# KiCad board beaglebone-ai.kicad_pcb (continued)
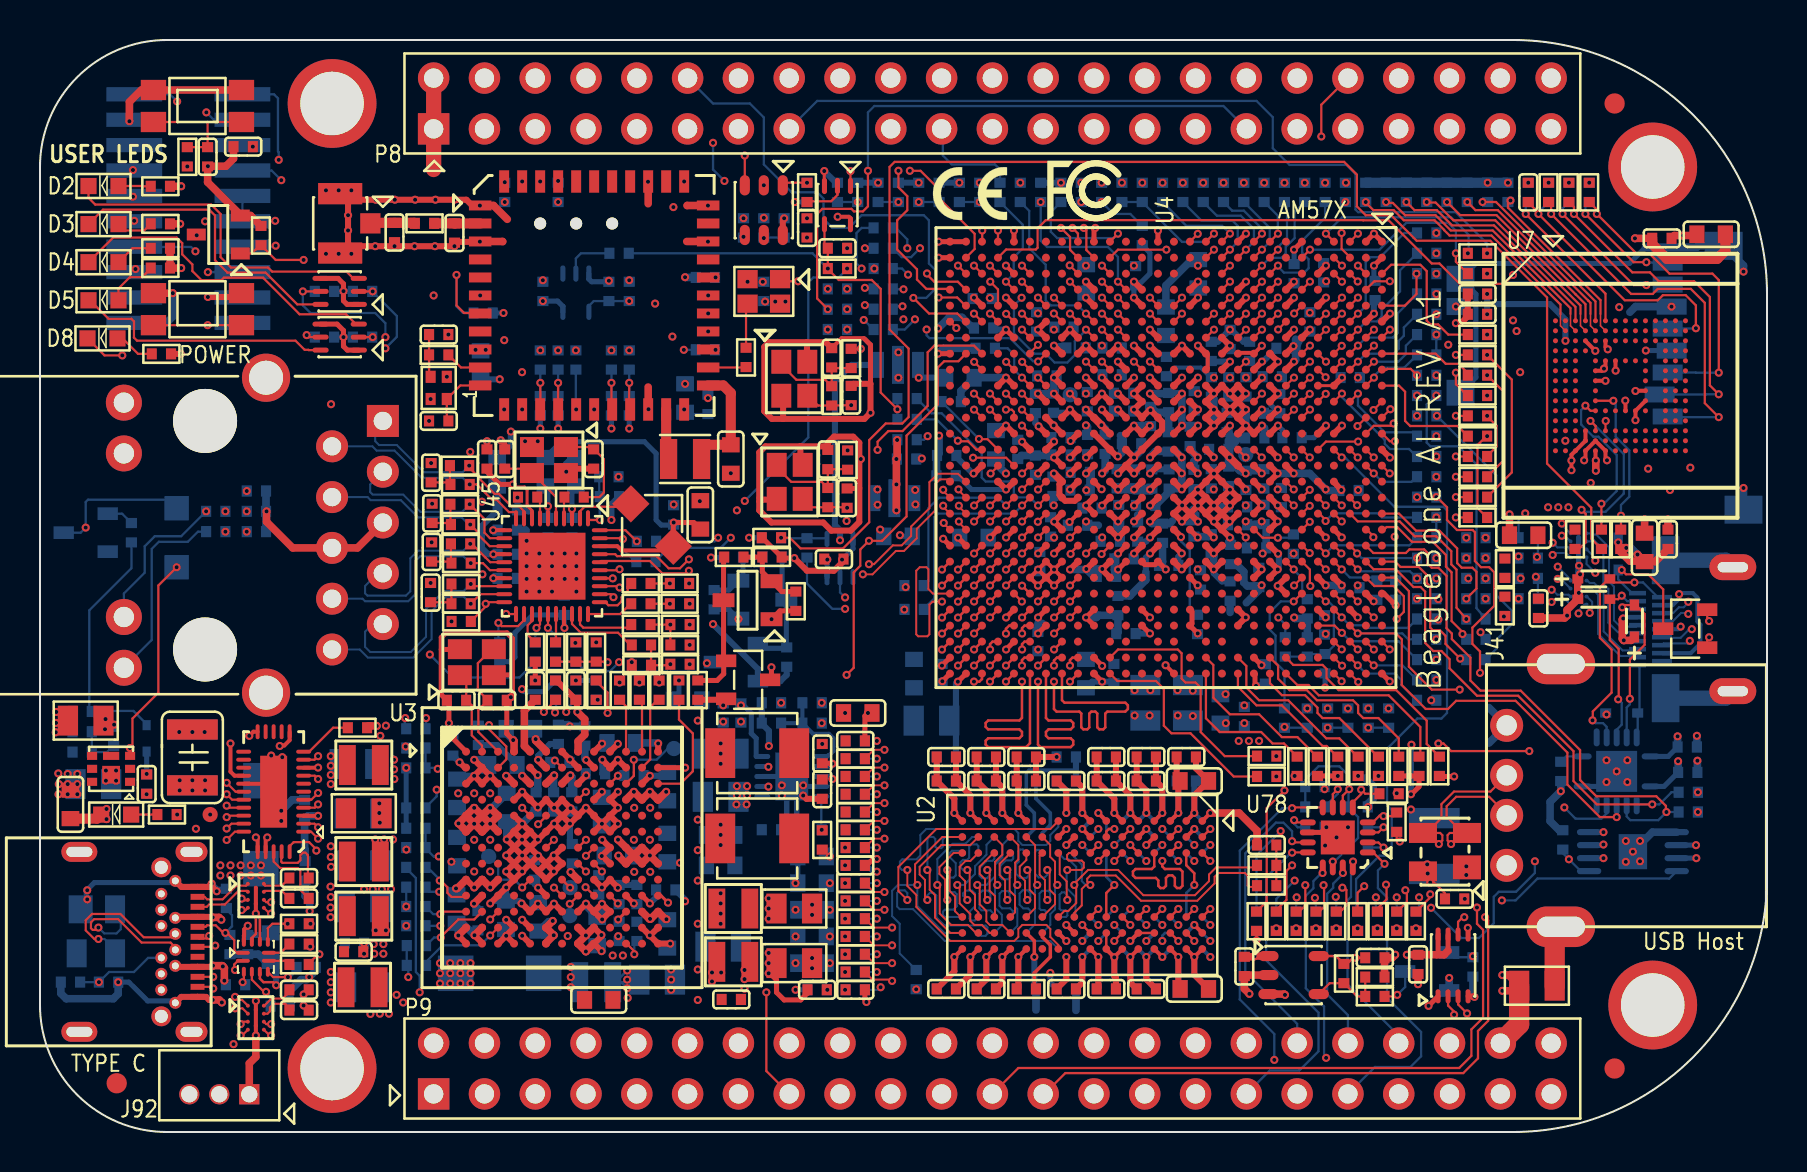
[diagram p0: board, top side]
## Copper pours and planes (outline as drawn; the poured copper is in the pictures) (continued)
Earth on TOP: 55.27,31.78 55.27,30.61 55.07,30.4 54.61,30.4 54.51,30.51 54.51,31.01 54.31,31.22 53.06,31.22 52.96,31.32 52.96,31.75 53.09,31.88 55.17,31.88
Earth on TOP: 24.13,46.58 32.36,46.58 32.49,46.46 32.49,37.39 32.26,37.16 23.22,37.16 22.94,37.44 22.94,45.39
Earth on TOP: 78.31,33.73 82.68,33.73 82.96,33.45 82.96,32.59 82.22,31.85 77.32,31.85 77.04,32.13 77.04,32.51 77.27,32.74 78.13,32.74 78.23,32.84 78.23,33.66
Earth on TOP: 70.59,13.84 72.03,13.84 72.11,13.77 72.11,12.45 71.6,11.94 71.6,11.46 71.5,11.35 70.94,11.35 70.82,11.48 70.82,12.45 70.51,12.75 70.51,13.77
Earth on TOP: 50.65,39.45 51.38,39.45 51.51,39.32 51.51,37.46 51.18,37.13 51.18,36.47 50.9,36.2 50.01,36.2 49.76,36.45 49.76,36.98 49.86,37.08 50.42,37.08 50.55,37.21 50.55,39.34
Earth on TOP: 58.88,29.87 58.88,29.69 58.78,29.59 57.58,29.59 57.35,29.82 57.35,30.18 57.51,30.33 58.42,30.33
Earth on TOP: 56.18,23.42 56.77,23.42 56.85,23.34 56.85,22.43 57.05,22.23 57.71,22.23 57.84,22.1 57.84,21.72 57.73,21.62 56.69,21.62 56.44,21.87 56.44,22.28 56.16,22.56 56.16,23.39
Earth on TOP: 83.08,20.02 83.08,17.88 82.4,17.2 82.4,13.44 82.14,13.18 79.02,13.18 78.79,13.41 78.79,14.94 79.22,15.37 81.23,15.37 81.66,15.8 81.66,16.46 80.92,17.2 77.95,17.2 77.52,17.63 77.52,19.74 77.95,20.17 77.95,20.93 78.11,21.08 82.02,21.08
Earth on TOP: 63.53,35.46 65.28,35.46 65.46,35.28 65.46,34.85 65.33,34.72 63.53,34.72 63.47,34.77 63.47,35.41
Earth on TOP: 62.59,40.28 63.53,40.28 63.68,40.13 63.68,39.95 62.84,39.12 62.84,38.25 62.64,38.05 62.23,38.05 62.13,38.15 62.13,39.83
Earth on TOP: 48.89,30.15 48.89,29.87 48.62,29.59 47.29,29.59 47.22,29.67 47.22,30.2 47.27,30.25 48.79,30.25
Earth on TOP: 67.74,44.93 67.74,43.87 67.08,43.21 66.6,43.21 66.5,43.31 66.5,43.43 66.62,43.56 66.62,43.92 66.5,44.04 66.19,44.04 66.12,44.12 66.12,44.98 66.4,45.26 67.41,45.26
Earth on TOP: 52.3,26.44 53.01,26.44 53.14,26.31 53.14,24.82 52.98,24.66 52.43,24.66 52.17,24.92 52.17,26.31
Earth on TOP: 17.72,20.54 17.72,19.7 17.58,19.56 16.84,19.56 16.64,19.76 16.64,20.47 16.88,20.71 17.54,20.71
Earth on TOP: 13,48.51 21.74,48.51 22.4,47.85 22.4,46.58 22.07,46.25 21.62,46.25 21.44,46.43 15.8,46.43 15.62,46.25 15.62,44.6 15.75,44.48 20.29,44.48 20.55,44.73 21.34,44.73 21.41,44.65 21.41,44.42 20.4,43.41 13.13,43.41 12.67,43.87 12.67,48.18
Earth on TOP: 32.61,6.96 34.21,6.96 34.29,6.88 34.29,6.17 34.09,5.97 28.42,5.97 28.32,6.07 28.32,6.91 28.37,6.96 30.48,6.96 31.29,7.77 31.8,7.77
Earth on TOP: 63.86,47.88 63.86,46.35 63.4,45.9 50.06,45.9 49.15,44.98 49.15,44.55 49,44.4 48.59,44.4 48.36,44.63 48.36,45.44 48.18,45.62 47.02,45.62 46.48,46.15 46.48,47.73 46.86,48.11 63.63,48.11
Earth on TOP: 49.96,34.62 51.08,34.62 51.23,34.47 51.23,33.38 51.16,33.3 50.9,33.3 50.55,33.66 50.09,33.66 49.89,33.86 49.89,34.54
Earth on TOP: 39.04,12.29 39.04,7.72 39.01,7.7 37.87,7.7 37.69,7.87 37.69,12.57 37.85,12.73 38.61,12.73
Earth on TOP: 51.26,29.46 51.26,29.16 50.85,28.75 49.83,28.75 49.73,28.85 49.73,29.39 49.83,29.49 50.09,29.49 50.5,29.9 50.83,29.9
Earth on TOP: 55.19,37.49 55.19,36.73 56.26,35.66 56.26,35.03 55.19,33.96 55.19,33.6 55.4,33.4 55.93,33.4 56.08,33.25 56.08,32.99 55.91,32.82 52.32,32.82 52.22,32.92 52.22,33.4 52.3,33.48 54.03,33.48 54.18,33.63 54.18,34.34 54.41,34.57 55.22,34.57 55.78,35.13 55.78,35.48 55.63,35.64 54.81,35.64 54.56,35.89 54.56,37.21 54.86,37.52 55.17,37.52
Earth on TOP: 60.48,26.09 60.48,24.64 59.87,24.03 57.33,24.03 57.02,24.33 57.02,26.37 57.33,26.67 59.89,26.67
Earth on TOP: 46.51,44.78 46.51,44.27 45.82,43.59 44.63,43.59 44.48,43.74 44.48,44.86 44.6,44.98 46.3,44.98
Earth on TOP: 17.59,16.61 17.59,15.17 16.58,15.17 16.54,15.21 16.54,16.69 16.61,16.76 17.44,16.76
Earth on TOP: 53.87,29.44 54.41,29.44 54.48,29.36 54.48,28.7 54.56,28.63 56.08,28.63 56.39,28.32 56.39,28.09 56.29,27.99 53.9,27.99 53.72,28.17 53.72,29.29
Earth on TOP: 61.24,33.32 61.24,32.84 61.14,32.74 59.94,32.74 59.74,32.94 59.74,33.43 59.79,33.48 61.09,33.48
Earth on TOP: 59.82,42.82 60.38,42.82 60.48,42.72 60.48,41.38 60.27,41.17 59.87,41.17 59.72,41.33 59.72,42.72
Earth on BOTTOM: 38.4,16.56 38.4,15.98 38.28,15.85 38.28,12.01 38.71,11.58 38.71,6.98 38.56,6.83 37.74,6.83 37.52,7.06 37.52,13.92 36.75,14.68 36.75,16.59 36.78,16.61 38.35,16.61
Earth on BOTTOM: 49.96,30.02 50.75,30.02 50.93,29.85 50.93,28.68 50.72,28.47 49.66,28.47 48.97,29.16 47.17,29.16 46.99,29.34 46.99,30.2 47.02,30.23 49.76,30.23
Earth on BOTTOM: 30.33,43.43 32.08,43.43 32.39,43.13 32.39,40 31.5,39.12 31.5,35.51 31.75,35.26 35.05,35.26 35.31,35 35.31,30.78 35.08,30.56 32.69,30.56 32.46,30.78 32.46,32.84 30.05,35.26 30.05,43.15
Earth on BOTTOM: 62.33,36.25 62.33,35.79 62.26,35.71 60.91,35.71 60.86,35.76 60.86,36.32 60.99,36.45 62.13,36.45
Earth on BOTTOM: 51.87,22.81 54.46,22.81 54.58,22.94 54.61,22.94 54.61,24 54.91,24.31 55.75,24.31 55.96,24.51 55.96,27.71 56.08,27.84 56.97,27.84 57.35,27.46 57.35,24.77 57.61,24.51 58.5,24.51 58.75,24.77 58.75,25.78 58.76,25.79 58.76,26.63 58.95,26.82 60.17,26.82 60.53,26.47 60.53,22.99 60.71,22.81 61.39,22.81 61.7,22.5 61.7,21.82 60.83,20.96 60.02,20.96 59.41,21.56 52.1,21.56 51.79,21.87 51.79,22.73
Earth on BOTTOM: 60.05,31.62 60.55,31.62 60.68,31.5 60.68,30.91 60.83,30.76 60.83,30.23 60.71,30.1 60.05,30.1 59.99,30.15 59.99,31.57
Earth on BOTTOM: 71.48,18.9 71.48,15.65 70.97,15.14 68.5,15.14 68.15,15.49 68.15,19.43 68.94,20.22 69.95,20.22 69.98,20.19 70.43,20.19 71.6,21.36 73.58,21.36 74.14,20.8 74.14,19.76 73.76,19.38 71.96,19.38
Earth on BOTTOM: 74.02,7.49 74.02,3.91 73.74,3.63 72.42,3.63 72.29,3.76 72.29,5.33 71.91,5.71 69.22,5.71 68.88,6.05 68.88,7.37 69.39,7.87 70.71,7.87 71.22,7.37 72.24,7.37 72.92,8.05 73.46,8.05
Earth on BOTTOM: 13.49,47.62 22.23,47.62 22.56,47.29 22.56,43.99 21.74,43.18 13.54,43.18 13,43.71 13,47.14
Earth on BOTTOM: 58.39,38.05 60.55,38.05 60.6,38 60.6,37.52 60.55,37.46 58.32,37.46 58.27,37.52 58.27,37.54 57.35,37.54 57.25,37.44 56.01,37.44 55.88,37.57 55.88,37.9 56.06,38.07 56.46,38.07 56.74,38.35 58.09,38.35
Earth on BOTTOM: 30.92,9.58 32.3,9.58 32.64,9.92 32.64,18.72 32.08,19.28 29.67,19.28 29.49,19.46 29.49,20.45 29.77,20.73 29.77,22.83 29.39,23.22 29.39,23.95 29.64,24.21 31.72,24.21 32.13,23.8 32.13,21.34 32.64,20.83 33.34,20.83 33.66,20.51 33.66,5.97 33.35,5.66 31.17,5.66 30.92,5.91
Earth on BOTTOM: 28.55,47.93 33.07,47.93 33.86,47.14 34.67,47.14 35.23,47.7 36.5,47.7 36.8,47.4 36.8,46.41 36.58,46.18 34.82,46.18 34.57,45.92 34.57,44.78 34.06,44.27 30.43,44.27 28.4,46.3 28.4,47.78
Earth on BOTTOM: 63.98,40.08 63.98,38.63 63.6,38.25 62.64,38.25 62.46,38.43 62.46,40.23 62.61,40.39 63.68,40.39
Earth on BOTTOM: 18.87,40.54 20.5,40.54 20.93,40.11 20.93,38.51 21.23,38.2 23.01,38.2 23.19,38.02 23.19,34.52 23.06,34.39 22.2,34.39 21.67,33.86 19.02,33.86 18.72,34.16 18.72,40.39
Earth on BOTTOM: 55.17,31.42 55.17,30.84 55.07,30.73 54.51,30.73 54.25,30.99 53.62,30.99 53.37,30.73 53.37,29.31 53.29,29.24 52.78,29.24 52.63,29.39 52.63,30.81 52.78,30.96 52.78,31.52 52.83,31.57 55.02,31.57
Earth on BOTTOM: 44.86,45.57 48.44,45.57 48.79,45.21 48.79,44.35 48.03,43.59 44.91,43.59 44.7,43.79 44.7,45.42
Earth on BOTTOM: 24.18,31.22 24.18,26.92 24.33,26.77 25.5,26.77 25.91,27.18 26.42,27.18 26.67,26.92 26.67,26.9 27.58,26.9 27.79,27.1 27.79,29.18 27.53,29.44 25.15,29.44 24.89,29.69 24.89,31.12 24.66,31.34 24.31,31.34
Earth on BOTTOM: 16.31,20.6 17.5,20.6 17.86,20.24 17.86,7.57 18.39,7.04 18.39,6.25 18.26,6.12 16.66,6.12 16.08,6.71 16.08,20.37
Earth on BOTTOM: 43.56,25.27 42.77,24.49 42.77,23.14 43.18,22.73 45.21,22.73 45.36,22.58 45.36,22.15 45.03,21.82 44.73,21.82 44.58,21.67 44.58,19.69 45.19,19.08 45.19,18.06 44.98,17.86 43.26,17.86 41.81,19.3 41.02,19.3 41.02,19.96 41,19.96 40.54,20.42 39.95,20.42 39.67,20.7 39.67,24.54 41.02,25.88 41.02,27.3 41.4,27.69 43.56,27.69
Earth on BOTTOM: 55.4,34.67 55.4,34.16 55.14,33.91 55.14,33.58 55.32,33.4 56.69,33.4 56.77,33.32 56.77,32.89 56.62,32.74 52.86,32.74 52.81,32.79 52.81,33.45 53.01,33.66 53.52,33.66 53.77,33.4 54.05,33.4 54.79,34.14 54.79,34.72 54.81,34.75 55.32,34.75
Earth on BOTTOM: 80.06,34.24 82.63,34.24 82.91,33.96 82.91,31.95 82.22,31.27 80.39,31.27 79.88,31.78 79.88,34.06
Earth on BOTTOM: 54.99,37.95 54.99,36.63 55.12,36.5 55.88,36.5 56.13,36.25 56.67,36.25 56.72,36.2 56.72,35.1 57.07,34.75 57.94,34.75 58.09,34.59 58.09,32.87 57.99,32.77 57.53,32.77 57.35,32.94 57.35,34.01 56.79,34.57 56.11,34.57 55.98,34.7 55.98,35.59 55.78,35.79 55.02,35.79 54.91,35.69 54.51,35.69 54.36,35.84 54.36,37.11 53.82,37.64 53.8,37.64 53.8,38.07 53.9,38.18 54.76,38.18
Earth on BOTTOM: 61.72,19.38 66.7,19.38 66.98,19.1 66.98,18.26 66.42,17.7 66.01,17.7 65.13,18.59 63.86,18.59 62.97,17.7 61.57,17.7 61.24,18.03 61.24,18.9
Earth on BOTTOM: 58.9,30.1 58.9,29.59 58.72,29.41 57.51,29.41 57.4,29.51 57.4,30.05 57.43,30.07 58.12,30.07 58.24,30.2 58.8,30.2
Earth on BOTTOM: 59.69,35.41 59.69,35.1 59.79,35 60.48,35 60.55,34.92 60.55,34.52 60.48,34.44 59.92,34.44 59.74,34.26 59.74,33.63 59.99,33.38 59.99,33.05 59.94,32.99 59.18,32.99 59.06,33.12 59.06,35.41 59.13,35.48 59.61,35.48
Earth on BOTTOM: 4.95,17.65 4.95,19.33 5.05,19.43 5.41,19.43 6.17,20.19 6.17,20.62 6.27,20.73 8.92,20.73 8.97,20.68 8.97,19.66 8.84,19.53 6.65,19.53 5.87,18.75 5.87,17.83 5.64,17.6 5,17.6
Earth on BOTTOM: 76.83,41.68 79.32,41.68 79.78,41.22 79.78,38.46 80.06,38.18 80.06,36.68 79.55,36.17 79.2,36.17 79.02,36.35 79.02,36.83 78.89,36.96 77.01,36.96 76.63,36.58 76.63,34.92 77.17,34.39 77.88,34.39 78.54,33.73 78.54,32.66 77.93,32.05 73.96,32.05 73.58,32.44 73.58,38.63 73.86,38.91 76.48,38.91 76.73,39.17 76.73,41.58
Earth on GND_L2: 76.31,49.03 76.31,47.26 78.75,44.82 81.22,44.82 83.39,42.65 83.39,29.97 82.52,29.11 82.52,27.51 83.64,26.39 83.64,24.69 83.06,24.1 78.61,24.1 77.62,25.1 74.45,25.1 73.28,23.93 73.28,22.48 74.68,21.08 82.04,21.08 83.34,19.79 83.34,13.16 82.55,12.37 74.12,12.37 73.18,11.43 73.18,9.17 74.73,7.62 76.1,7.62 76.53,7.19 76.53,4.9 74.93,3.3 19.58,3.3 16.64,6.25 12.9,6.25 10.52,3.86 9.27,3.86 8.84,4.29 8.84,5.51 8.1,6.25 8.1,14.53 6.63,16 4.27,16 3.73,16.54 3.73,19.35 4.47,20.09 12.88,20.09 13.61,20.83 13.61,27.38 12.73,28.27 9.73,28.27 8.84,29.16 8.84,31.55 10.06,32.77 13.28,32.77 13.51,32.99 13.51,39.22 12.52,40.21 4.47,40.21 4.32,40.36 4.32,48.49 5.84,50.01 11.15,50.01 12.67,48.49 17.42,48.49 19.25,50.32 75.03,50.32
Earth on INT_L3: 43.51,50.29 44.91,48.89 75.88,48.89 76.31,48.46 76.31,47.26 78.75,44.82 81.22,44.82 83.39,42.65 83.39,29.97 82.52,29.11 82.52,27.51 83.64,26.39 83.64,24.69 83.08,24.13 78.59,24.13 77.62,25.1 74.45,25.1 73.28,23.93 73.28,22.48 74.68,21.08 82.04,21.08 83.34,19.79 83.34,13.16 82.55,12.37 74.12,12.37 73.18,11.43 73.18,9.17 74.73,7.62 76.1,7.62 76.53,7.19 76.53,4.9 74.93,3.3 59.03,3.3 57.51,4.83 39.32,4.83 37.8,3.3 19.58,3.3 16.64,6.25 12.9,6.25 10.52,3.86 9.27,3.86 8.84,4.29 8.84,5.51 8.1,6.25 8.1,14.53 6.63,16 4.27,16 3.73,16.54 3.73,19.35 4.47,20.09 12.88,20.09 13.61,20.83 13.61,27.38 12.73,28.27 9.73,28.27 8.84,29.16 8.84,31.55 10.06,32.77 13.28,32.77 13.51,32.99 13.51,39.22 12.52,40.21 4.47,40.21 4.32,40.36 4.32,48.49 5.84,50.01 11.15,50.01 12.67,48.49 17.42,48.49 19.25,50.32 43.51,50.32
Earth on GND_L4: 76.33,49.53 76.33,47.24 78.75,44.82 81.22,44.82 83.39,42.65 83.39,29.97 82.52,29.11 82.52,27.51 83.64,26.39 83.64,24.69 83.06,24.1 78.61,24.1 77.62,25.1 74.47,25.1 73.28,23.9 73.28,22.48 74.68,21.08 82.04,21.08 83.34,19.79 83.34,13.16 82.55,12.37 74.12,12.37 73.18,11.43 73.18,9.17 74.73,7.62 76.1,7.62 76.53,7.19 76.53,4.9 74.93,3.3 19.58,3.3 16.64,6.25 12.9,6.25 10.52,3.86 9.27,3.86 8.84,4.29 8.84,5.51 8.1,6.25 8.1,14.53 6.63,16 4.27,16 3.73,16.54 3.73,19.35 3.12,19.96 3.12,20.65 3.25,20.78 3.89,20.78 4.57,20.09 12.88,20.09 13.61,20.83 13.61,27.38 12.73,28.27 9.73,28.27 8.84,29.16 8.84,31.55 10.06,32.77 13.28,32.77 13.49,32.97 13.49,39.24 12.52,40.21 4.47,40.21 4.32,40.36 4.32,48.49 5.84,50.01 11.15,50.01 12.67,48.49 17.42,48.49 19.25,50.32 75.54,50.32
Earth on SIG_L5: 74.42,41.53 74.42,45.59 77.98,45.59 78.75,44.82 81.22,44.82 83.39,42.65 83.39,29.97 82.52,29.11 82.52,27.51 83.64,26.39 83.64,24.69 83.24,24.28 78.36,24.28 77.55,25.1 74.45,25.1 73.28,23.93 73.28,22.48 74.68,21.08 82.04,21.08 83.34,19.79 83.34,13.16 82.55,12.37 74.12,12.37 73.18,11.43 73.18,9.17 74.73,7.62 76.1,7.62 76.53,7.19 76.53,4.9 74.93,3.3 71.04,3.3 68.25,6.1 25.91,6.1 23.11,3.3 10.13,3.3 8.1,5.33 8.1,14.53 6.63,16 4.27,16 3.73,16.54 3.73,19.35 4.47,20.09 12.88,20.09 13.51,20.73 13.51,37.59 10.9,40.21 4.47,40.21 4.32,40.36 4.32,48.49 5.84,50.01 11.15,50.01 12.67,48.49 17.42,48.49 19.25,50.32 71.88,50.32 71.88,46.48 61.85,46.48 61.85,41.53
Earth on SIG_L8: 76.33,49.58 76.33,47.24 78.75,44.82 81.22,44.82 83.39,42.65 83.39,29.97 82.52,29.11 82.52,27.51 83.64,26.39 83.64,24.69 83.06,24.1 78.61,24.1 77.62,25.1 74.45,25.1 73.28,23.93 73.28,22.48 74.68,21.08 82.04,21.08 83.34,19.79 83.34,13.16 82.55,12.37 74.12,12.37 73.18,11.43 73.18,9.17 74.73,7.62 76.1,7.62 76.53,7.19 76.53,4.9 74.93,3.3 71.68,3.3 71.35,3.63 71.35,4.45 70.41,5.38 22.71,5.38 20.62,3.3 19.38,3.3 16.59,6.1 12.93,6.1 10.08,3.25 8.43,3.25 8.1,3.58 8.1,14.53 6.63,16 4.27,16 3.73,16.54 3.73,19.35 4.47,20.09 12.88,20.09 13.64,20.85 13.64,39.09 12.52,40.21 4.47,40.21 4.32,40.36 4.32,48.49 5.84,50.01 11.15,50.01 12.67,48.49 17.42,48.49 19.25,50.32 75.59,50.32
Earth on GND_L9: 76.3,49.56 76.3,47.27 78.75,44.82 81.22,44.82 83.39,42.65 83.39,29.97 82.52,29.11 82.52,27.51 83.64,26.39 83.64,24.69 83.06,24.1 78.61,24.1 77.62,25.1 74.45,25.1 73.28,23.93 73.28,22.48 74.68,21.08 82.04,21.08 83.34,19.79 83.34,13.16 82.55,12.37 74.12,12.37 73.18,11.43 73.18,9.17 74.73,7.62 76.1,7.62 76.53,7.19 76.53,4.9 74.93,3.3 19.58,3.3 16.64,6.25 12.9,6.25 10.52,3.86 9.27,3.86 8.84,4.29 8.84,5.51 8.1,6.25 8.1,14.53 6.63,16 4.27,16 3.73,16.54 3.73,19.35 4.47,20.09 12.88,20.09 13.61,20.83 13.61,27.38 12.73,28.27 9.73,28.27 8.84,29.16 8.84,31.55 10.06,32.77 13.28,32.77 13.51,32.99 13.51,39.22 12.52,40.21 4.47,40.21 4.32,40.36 4.32,48.49 5.84,50.01 11.15,50.01 12.67,48.49 17.42,48.49 19.25,50.32 75.54,50.32
Earth on SIG_L10: 76.33,49.58 76.33,47.24 78.75,44.82 81.22,44.82 83.39,42.65 83.39,29.97 82.52,29.11 82.52,27.51 83.64,26.39 83.64,24.69 83.06,24.1 78.61,24.1 77.62,25.1 74.45,25.1 73.28,23.93 73.28,22.48 74.7,21.06 82.07,21.06 83.34,19.79 83.34,13.16 82.55,12.37 74.12,12.37 73.18,11.43 73.18,9.17 74.73,7.62 76.1,7.62 76.53,7.19 76.53,4.9 74.93,3.3 72.16,3.3 70.03,5.44 22.45,5.44 20.57,3.56 19.33,3.56 16.79,6.1 12.75,6.1 10.52,3.86 9.25,3.86 8.84,4.27 8.84,5.28 8.1,6.02 8.1,14.53 6.63,16 4.27,16 3.73,16.54 3.73,19.35 4.47,20.09 12.88,20.09 13.64,20.85 13.64,39.09 12.52,40.21 4.47,40.21 4.32,40.36 4.32,48.49 5.84,50.01 11.15,50.01 12.67,48.49 17.42,48.49 19.25,50.32 75.59,50.32
Earth on GND_L11: 76.33,49.58 76.33,47.24 78.75,44.82 81.22,44.82 83.39,42.65 83.39,29.97 82.52,29.11 82.52,27.51 83.64,26.39 83.64,24.69 83.06,24.1 78.61,24.1 77.62,25.1 74.45,25.1 73.28,23.93 73.28,22.48 74.68,21.08 82.04,21.08 83.34,19.79 83.34,13.16 82.55,12.37 74.12,12.37 73.18,11.43 73.18,9.17 74.73,7.62 76.1,7.62 76.53,7.19 76.53,4.9 74.93,3.3 19.58,3.3 16.64,6.25 12.9,6.25 10.52,3.86 9.27,3.86 8.84,4.29 8.84,5.51 8.1,6.25 8.1,14.53 6.63,16 4.27,16 3.73,16.54 3.73,19.35 4.47,20.09 12.88,20.09 13.61,20.83 13.61,27.38 12.73,28.27 9.73,28.27 8.84,29.16 8.84,31.55 10.06,32.77 13.28,32.77 13.51,32.99 13.51,39.22 12.52,40.21 4.47,40.21 4.32,40.36 4.32,48.49 5.84,50.01 11.15,50.01 12.67,48.49 17.42,48.49 19.25,50.32 75.59,50.32
MII0A_1.1V on SIG_L10: 25.55,31.65 25.55,31.09 24.87,30.4 24.16,30.4 23.34,29.59 23.34,27.76 22.96,27.38 22.12,27.38 21.82,27.69 21.82,31.09 22.56,31.83 25.37,31.83
MII0D_2.5V on PWR_L7: 8.97,29.06 9.73,28.3 12.8,28.3 13.64,27.46 13.64,25.16 13.94,24.85 26.38,24.85 27.46,25.93 27.46,31.6 26.33,32.73 10.07,32.73 8.97,31.62
TypeC_VBUS on TOP: 4,18.77 4,19.16 3.91,19.25 0.89,19.25 0.71,19.08 0.71,16.79 0.84,16.66 1.96,16.66 2.08,16.79 2.08,18.47 2.26,18.64 3.87,18.64
TypeC_VBUS on BOTTOM: 1.85,26.52 3.94,28.6 3.94,29.34 2.82,29.34 1.35,27.86 1.35,18.72 0.63,18.01 0.63,16.81 0.75,16.7 2.36,16.7 2.53,16.87 2.54,16.87 2.54,17.88 1.85,18.57
TypeC_VBUS on SIG_L8: 12.47,15.44 12.47,4.78 10.85,3.15 3.43,3.15 0.67,5.91 0.67,19.77 8.14,19.77
USB_VBUS on TOP: 68.5,13.64 69.77,13.64 69.98,13.44 69.98,12.8 70.48,12.29 70.48,11.35 70.43,11.3 69.98,11.3 69.93,11.35 69.93,11.96 69.62,12.27 68.63,12.27 68.4,12.5 68.4,13.54
USB_VBUS on BOTTOM: 77.24,15.39 78.26,15.39 78.41,15.24 78.41,13.56 78.33,13.49 77.39,13.49 77.19,13.69 77.19,15.34
USB_VBUS on PWR_L6: 79.1,15.14 79.1,12.75 78.74,12.4 74.09,12.4 73.63,11.94 69.62,11.94 69.22,12.34 69.22,13.74 70.36,14.88 76.2,14.88 76.71,15.39 78.84,15.39
VTT on TOP: 40.03,19.84 40.03,17.88 38.84,17.88 38.84,17.37 40.03,17.37 40.03,14.38 38.84,14.38 38.84,13.87 39.29,13.87 39.29,7.39 39.09,7.39 39.09,6.83 40.54,6.83 40.54,19.84
VTT on BOTTOM: 40.03,19.84 40.03,17.91 39.42,17.91 39.42,17.45 40.03,17.45 40.03,14.22 39.09,14.22 39.09,6.83 40.54,6.83 40.54,19.84
Net-(L1-Pad1) on TOP: 34.76,17.7 34.53,17.7 32.37,15.54 29.19,15.54 29.09,15.64 29.09,15.93 29.54,16.38 31.17,16.38 33,18.22 33,19.88 33.31,20.19 34.76,20.19
Net-(L1-Pad1) on SIG_L5: 29.14,16.01 29.14,19.86 29.47,20.19 34.01,20.19 34.24,19.96 34.24,16.26 33.99,16.01
Net-(L2-Pad1) on TOP: 32.26,13.49 31.24,14.5 29.21,14.5 29.06,14.65 29.06,15.1 29.25,15.29 32.63,15.29 33.27,15.93 34.76,15.93 34.76,13.44 32.31,13.44
Net-(L2-Pad1) on SIG_L5: 29.06,15.25 29.39,15.57 34.1,15.57 34.24,15.43 34.24,13.77 33.91,13.44 29.26,13.44 29.06,13.63
Net-(L16-Pad1) on TOP: 32.52,10.18 31.7,11 31.7,11.61 31.17,12.14 29.31,12.14 29.08,12.37 29.08,13.06 29.18,13.16 33.81,13.16 34.27,12.69 34.27,10.18
Net-(L16-Pad1) on SIG_L5: 29.08,13.06 29.18,13.16 34.01,13.16 34.26,12.9 34.26,10.31 33.88,9.93 29.31,9.93 29.08,10.16
Net-(L17-Pad1) on TOP: 23.11,14.42 22.79,14.74 20.95,14.74 20.7,14.99 16.75,14.99 16.57,14.81 16.57,12.76 18.35,12.76 19.49,13.91 22.99,13.91 23.11,14.03
Net-(L17-Pad1) on SIG_L5: 16.62,13.53 23.11,13.53 23.24,13.65 23.24,15.6 22.96,15.88 16.69,15.88 16.38,15.57 16.38,13.77
Net-(L18-Pad1) on TOP: 23.11,13.51 23.11,13.23 23.11,13.23 22.78,12.9 21.16,12.9 20.9,12.64 19.88,12.64 19.62,12.38 19.62,10.15 19.25,9.78 16.57,9.78 16.57,11.77 16.59,11.79 17.87,11.79 19.75,13.67 22.96,13.67
Net-(L18-Pad1) on SIG_L5: 23.11,13.04 22.89,13.27 16.65,13.27 16.38,13 16.38,9.96 16.69,9.65 22.89,9.65 23.11,9.88
Net-(L19-Pad1) on TOP: 24.94,10.22 24.94,6.45 24.13,5.64 16.43,5.64 16.33,5.74 16.33,6.07 16.51,6.25 16.51,8.43 17.48,9.4 24,9.4 24,10.1 24.35,10.45 24.71,10.45
Net-(L19-Pad1) on SIG_L5: 16.68,5.47 24.71,5.47 25.02,5.78 25.02,10.41 24.51,10.92 23.88,10.92 23.62,10.67 23.62,9.63 23.39,9.4 16.83,9.4 16.26,8.82 16.26,5.89
Net-(L20-Pad1) on TOP: 20.89,18.1 20.89,17.46 21.18,17.17 22.91,17.17 23.14,16.94 23.14,16.46 23.07,16.38 18.86,16.38 17.91,17.34 16.57,17.34 16.57,19.37 19.62,19.37
Net-(L20-Pad1) on SIG_L5: 23.07,16.38 23.15,16.47 23.15,18.55 22.86,18.85 17.6,18.85 17.51,18.76 17.51,16.57 17.7,16.38
Net-(L21-Pad1) on TOP: 29.61,9.51 34.27,9.51 34.27,7.52 34.27,7.52 34.27,7.42 34.21,7.37 32.72,7.37 31.7,8.38 31.32,8.38 30.3,7.37 28.4,7.37 28.25,7.51 28.25,10.33 28.35,10.43 28.69,10.43
Net-(L21-Pad1) on SIG_L5: 34.39,9.25 34.39,6.55 33.93,6.1 28.84,6.1 28.42,6.52 28.42,9.04 28.91,9.52 34.11,9.52
Net-(L22-Pad1) on TOP: 26.67,10.33 26.67,7.07 26.57,6.97 26.02,6.97 25.86,7.14 25.84,7.14 25.84,9.21 25.78,9.27 25.88,9.37 25.88,10.31 26.06,10.49 26.51,10.49
Net-(L22-Pad1) on BOTTOM: 26.19,10.16 26.16,10.13 26.16,9.14 26.35,8.95 26.35,6.57 26.44,6.48 27.42,6.48 27.42,8.27 26.8,8.89 26.8,10.16
Net-(L22-Pad1) on SIG_L5: 27.87,9.74 27.87,6.28 27.69,6.1 25.86,6.1 25.53,6.43 25.53,9.65 25.91,10.03 27.58,10.03

Small or netless copper shapes (teardrops, artwork), in the pictures only: 2 on TOP, 2 on BOTTOM

## Text on the board
User.Drawings: LAYERS STACKUP | L8 INNER | L9 INNER | L10 INNER | L11 INNER | L12 BOTTOM | L2 INNER | L3 INNER | L4 INNER | L5 INNER | L6 INNER | L7 INNER | PREPREG | TOP | LAYER | MATERIAL | COPPER | FR4 | THICKNESS | 3.16MIL | 7.87MIL | 4.18MIL | 4.22MIL | 0.5 OZ | H OZ | 4.72MIL | LAYER TYPE | ROUTING | PLANE | SINGLE 50OHM+/-10% | LINE WIDTH(MIL) | DIFFERENCE 90OHM-/+10% | LINE WIDTH/SPACE(MIL) | IMPEDANCE | DIFFERENCE 100OHM-/+10% | 6. FINISH: | 7. SILKSCREEN: | 1. ACCEPTABILITY: | 2. MATERIAL: | 3. FABRICATION REQUIREMENTS: | 4. FABRICATION TOLERANCE: | 5. SOLDER MASK: | 8. BOW AND TWIST: | 9. MEASUREMENTS: | 10.ENVIRONMENTAL: | A0 | REV | A1 | A). ENIG, GOLD THICKNESS IS 0.05 UM ~{0.23UM,NICKEL} THICKNESS IS 3 UM ~{6} UM. | A). PRIMARY AND SECONDARY SIDES USING A GLOSSY , NON-CONDUCTIVE, ROHS COMPLIANT, | B). NO SILKSCREEN ALLOWED ON PADS OR IN HOLES | C). MANUFACTUREERS CAN ADD SYMBOL IN SILKSCREEN LAYER OR SOLDER MASK LAYER, | E). SOLDER MASK BRIDGE BETWEEN PADS SHOULD BE MINIMUM 0.10MM | PRINTED WIRING BOARD SHALL MEET THE REQUIREMENTS OF IPC- 6012C CLASS 2. | GLASS EPOXY FR-4 FIRE RETARDANT AND UL 94V-0 RATING MATERIAL SHOULD MEET | IPC-4101C | A). FAB TO MEET THE REQUIREMENTS PER IPC-A-600, CLASS 2 | B). ALL ARTWORK OR ELECTRONIC DATA MAY BE ADJUSTED BY THE BOARD | C). FABRICATE ACCORDING TO THE FILES PART NO: | D). SOLDER MASK COLOR GLOSSY WHITE,SILKSCREEN COLOR  BLACK | E). FINISH ENIG | A). WIRE WIDTH TOLERANCE INTERNAL CONTROL STANDARD +/-20% | B). PTH  DIAMETER TOLERANCE +/-0.076MM,NPTH DIAMETER TOLERANCE +/-0.05MM | C). ALL OUTER LAYER PADS REQUIRE +/-0.05MM TOLERANCE. | D). LAYER REGISTRATION BETWEEN ADJACENT LAYER MAXIMUN 150UM, THE INTERLAYER | E). THICKNESS IS LESS THAN 1MM PCB TO A TOLERANCE OF +/-0.1MM,THICKNESS IS | A). MATERIALS IN ACCORDANCE WITH IPC-SM-840E CLASS T STANDARDS AND ROHS | B). SOLDER MASK BOTH PRIMARY AND SECONDARY SIDES, THE ADHESION OF SOLDER | C). SOLDER MASK COVERAGE ON THE MIDDLE OF THE COPPER WIRE MINIMUM 10UM,EDGE | D). ALL HOLES WITH SOLDER MASK COVERED IN THE GERBER SHOULD BE PULGED | MAX BOW & TWIST OF PCB SHALL NOT EXCEED 0.75% OF MAXIMUN DIMENSION, | MEASUREMENT METHOD IN 2.4.22 OF IPC-TM-650 IS FOR REFERENCE | INTERPRET ALL DIMENSIONS AND TOLERANCES PER IPC-D-300G, CLASS B AND ALL | DIMENSIONS ARE METRIC, DIMENSIONS ARE AFTER ETCHING AND PLATING. | THE  PCB SUPPLIER SHALL PROVIDE A SIGNED CERTIFICATE OF COMPLIANCE BY | AUTHORIZED QA  REPRESENTATIVE. THE BASE MATERIAL OF PCB SHALL NOT CONTAIN THE | BANNED SUBSTANCES LISTED IN THE CERTIFICATE OF COMPLIANCE. | EPOXY BASED INK | ALLOW TO INCREASE SYMBOL :ASSEMBLY REF , DATE CODE, LEAD-FREE SYMBOL, UL FILE | NUMBER,UL TYPE, UL SYMBOL AND FIRE RATING,NO LIST DOES NOT ALLOW TO INCREASE. | MANUFACTURER TO COMPENSATE FOR MANUFACTURING PROCESS TOLERANCES, | ADDITION OF FILLETS TEARDROPS AT LINE / PAD INTERFACE IS PREFERRED. | THIEVING IS ALLOWED TO COMPENSATE FOR HIGH COPPER DENSITY AREAS | 1001001000780_ BEAGLEBONE AI_GERBER_REVA1 FILE FOR MANUFACTURING | DIELECTRIC THICKNESS TOLERANCE +/-15% | GREATER THAN OR EQUAL TO 1MM PCB TO A TOLERANCE OF +/-10% | REQUIREMENTS | MASK MEET THE REQUIREMENTS OF IPC-A-600F LEVEL 2 | COVERAGE OF THE COPPER WIRE MINIMUM 4UM, SOLDER MASK MISREGISTRATION | MAXIM 2.5MIL | RESIN | ALL VIAS IN PADS WITH HOLE DIAMETER LESS THAN 0.4MM SHOULD BE FILLED WITH | ACTION | FIRST RELEASE | SECOND RELEASE | TITLE: | PART NUMBER: | ADD: | WWW.EMBEST-TECH.COM | BEAGLEBONE AI | 1001001000780 | 2018/08/30 | 2018/12/21 | ELEC ENGR: | REV: | DATE: | DATE | 2018/12/19 | PENG WANG | JESSIE.YAN | AUTH | W:4.5 | W:4 | W:4.3/S:7.5 | W:4.3/S:6 | W:4.5/S:6 | W:3.7/S:8.3 | W:4/S:7 | W:4/S:6 | D | C | B | A | 1 | LAYERS LAMINATION & IMPENDANCE  CONTROL | THE TOTAL THICKNESS: | 2 | 1.6MM+/-10% | 3 | 4 | 5 | 6 | NOTE | EMBEST TECHNOLOGY CO.,LTD. | 7 | REVISIONS | 8
F.Silkscreen: TYPE C | POWER | AM57X | USB Host | USER LEDS | BeagleBone AI REV A1
